# Altium PCB OZ440-SE130-CAR001.PcbDoc (part 1 of 2)
Units mm, origin at the board's own origin, x right, y up, seen from the top; angles counter-clockwise.
Board outline 154.93 x 68 mm, 4 copper layers (Top Layer, Mid-Layer 1, Mid-Layer 2, Bottom Layer), stack 1.448 mm thick; 100 components, 66 nets, 304 pads, 193 vias.
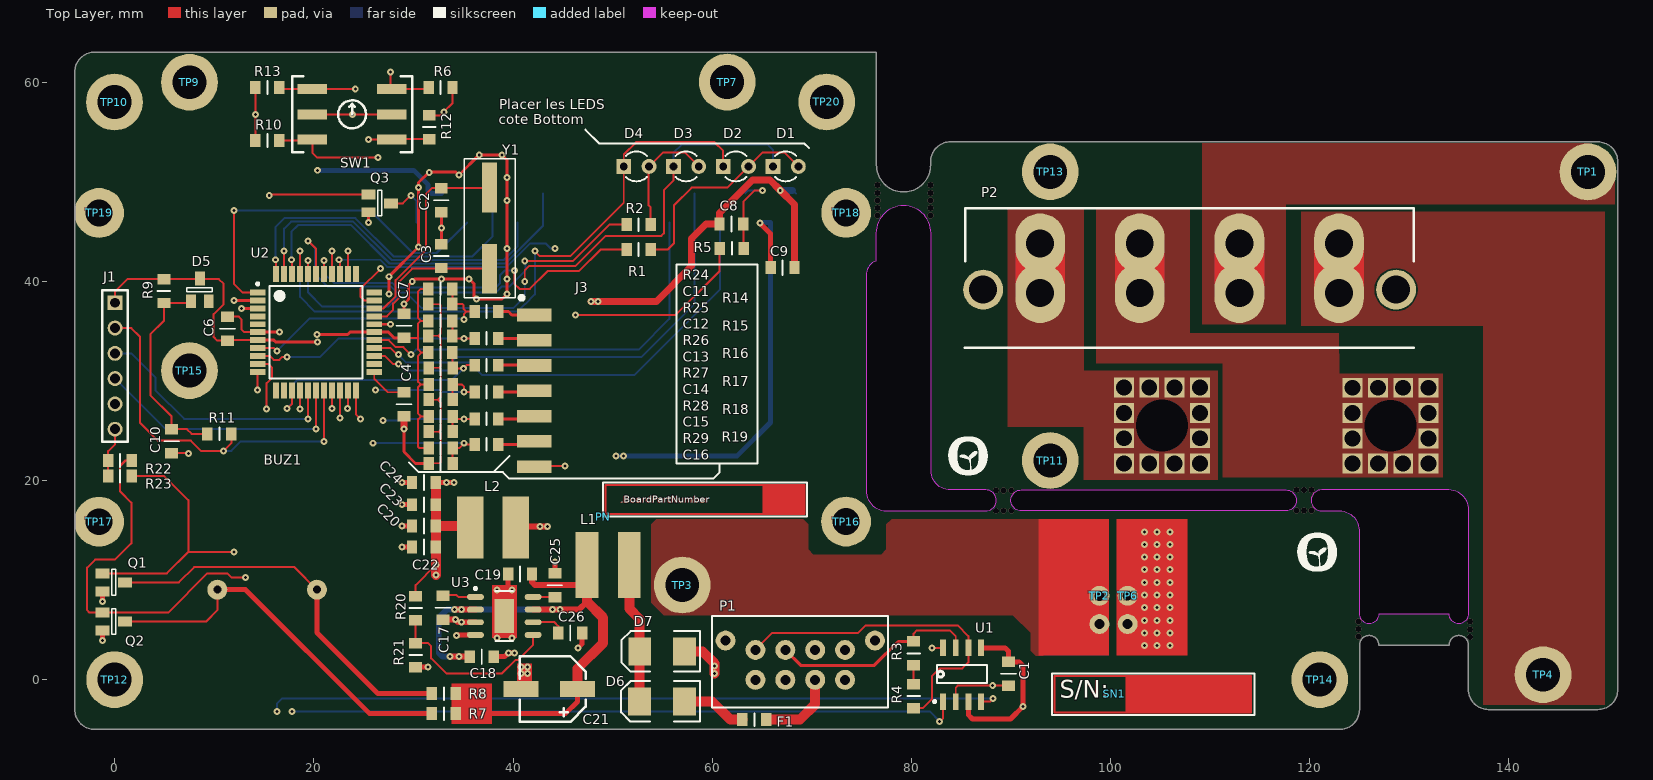
[diagram p0: Top Layer view]
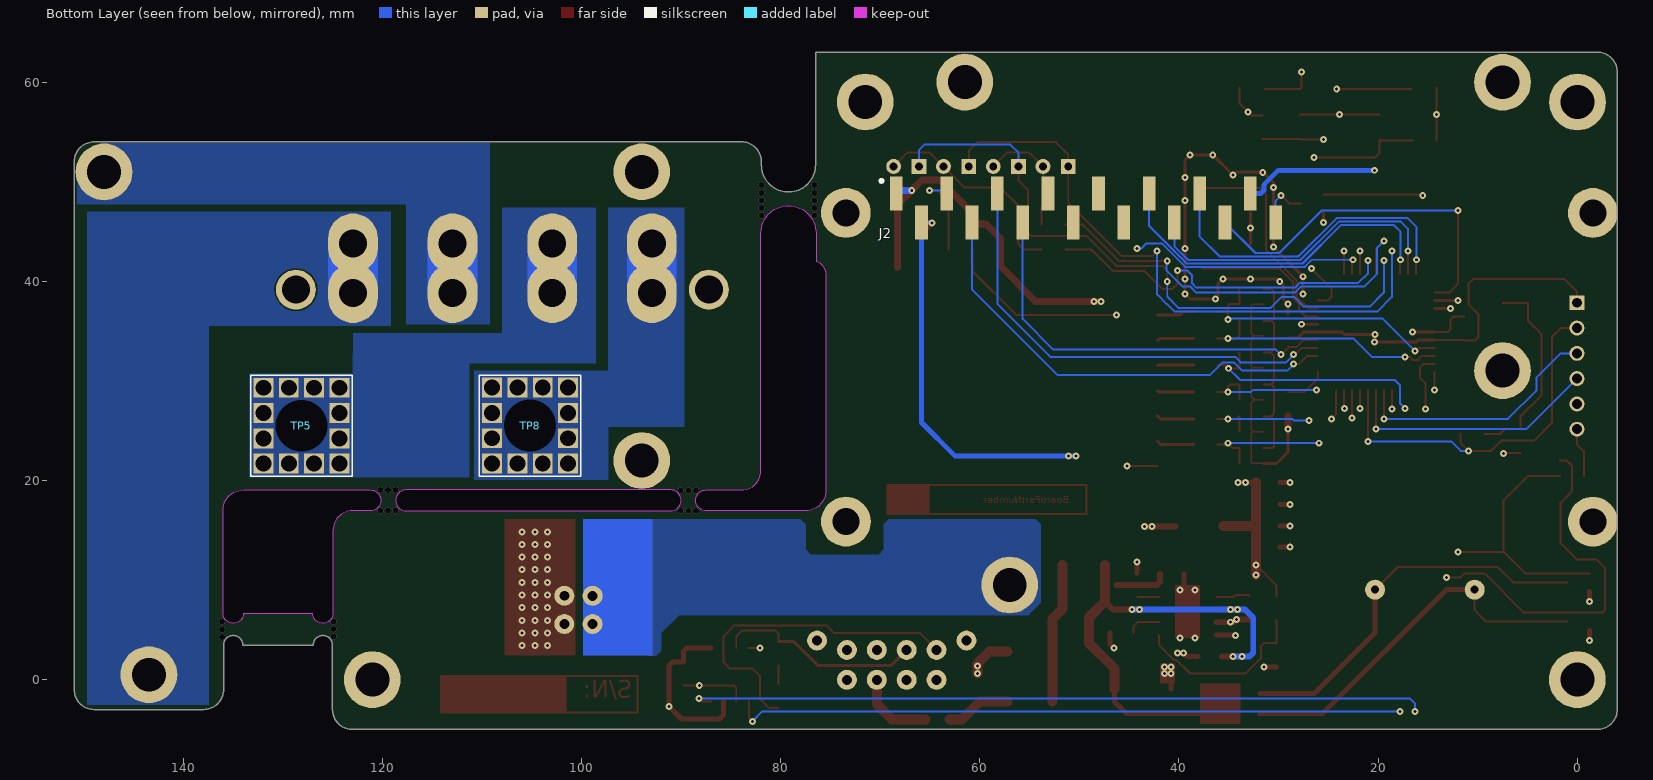
[diagram p1: Bottom Layer view, seen from below]
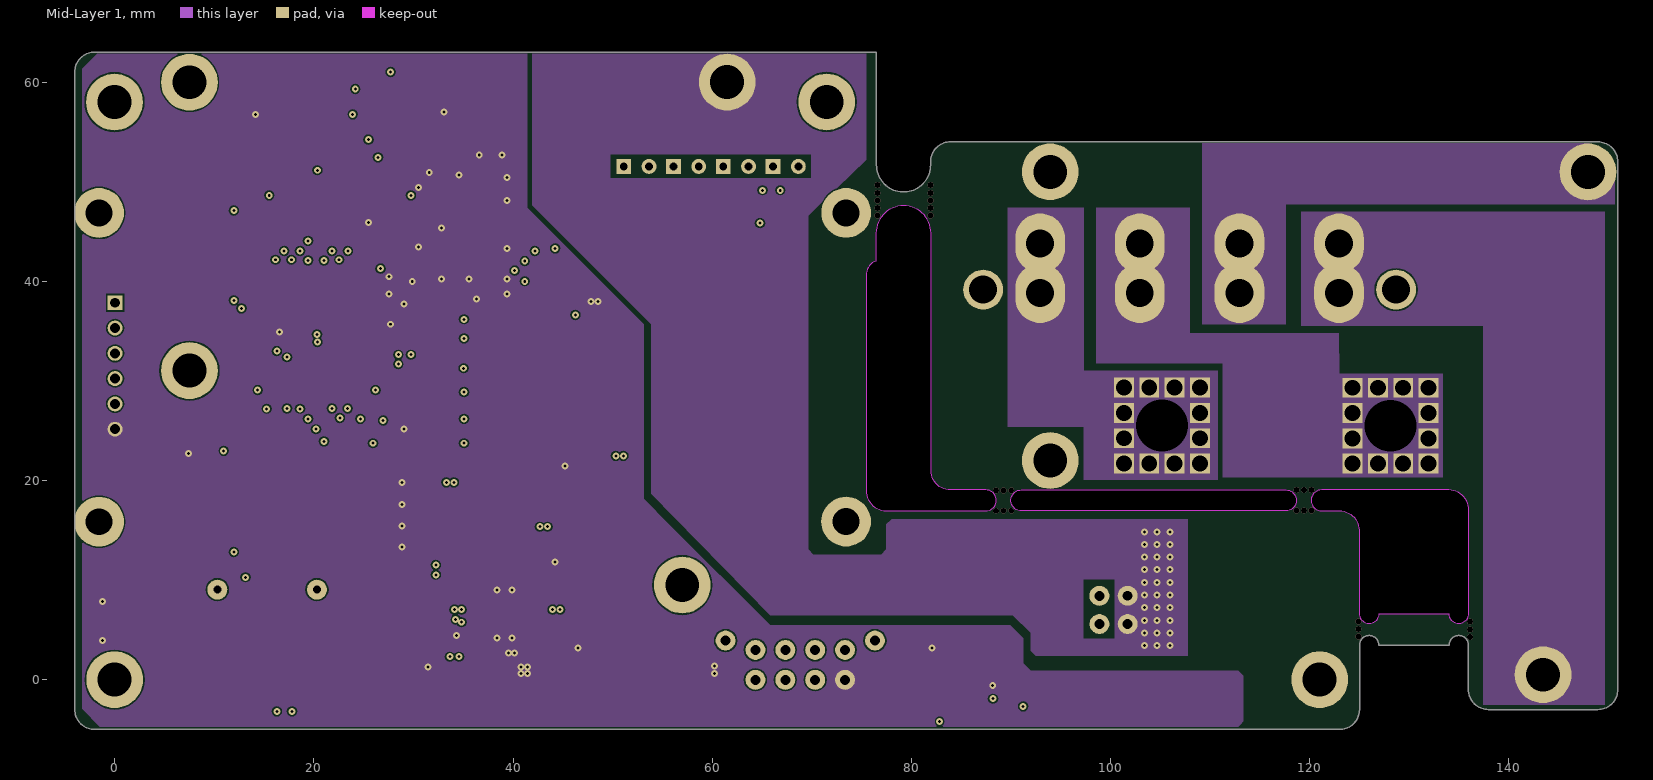
[diagram p2: Mid-Layer 1]
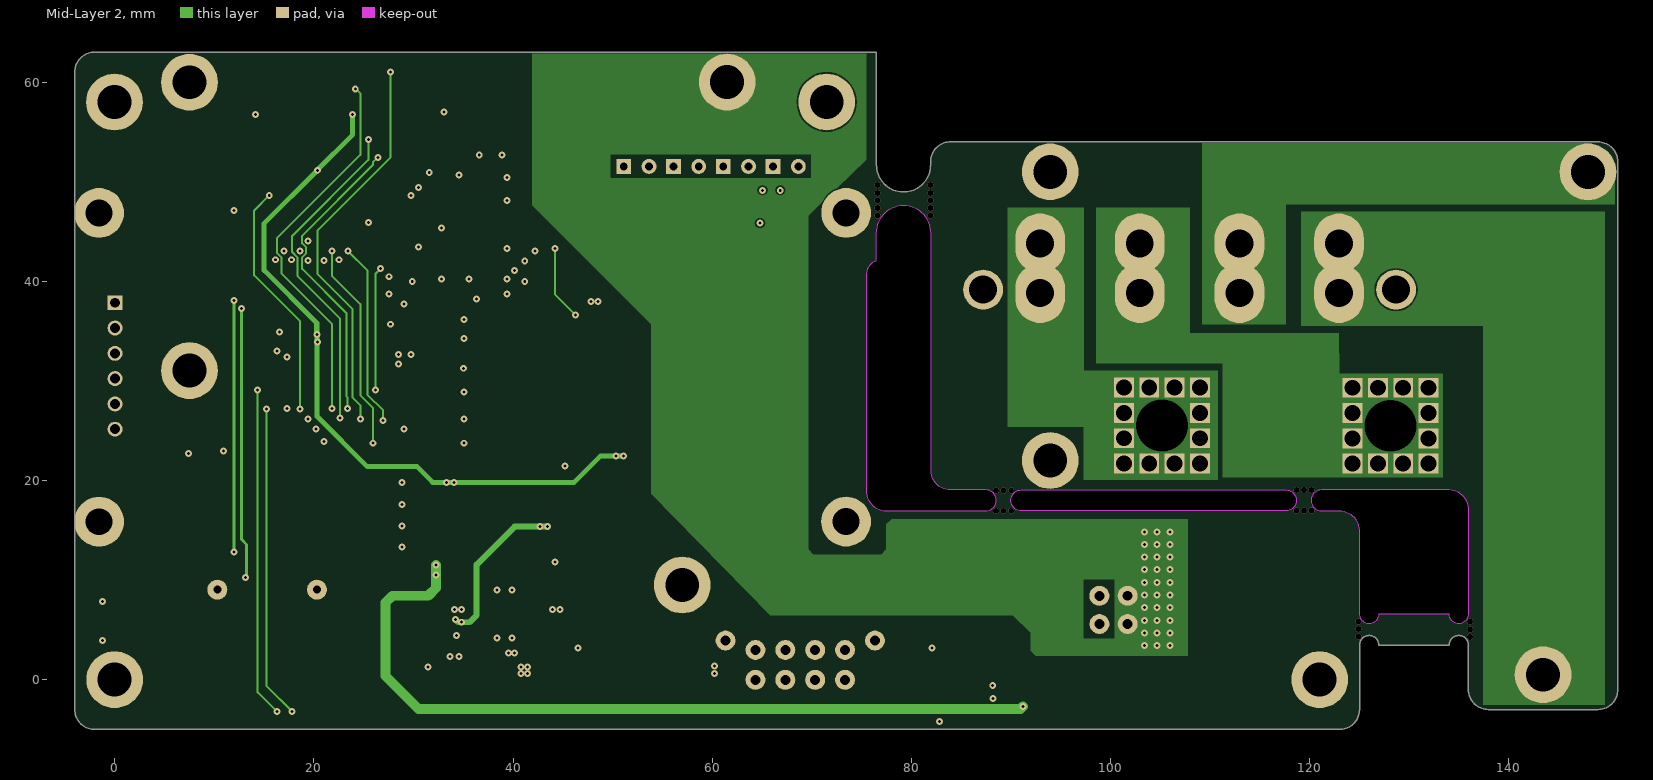
[diagram p3: Mid-Layer 2]
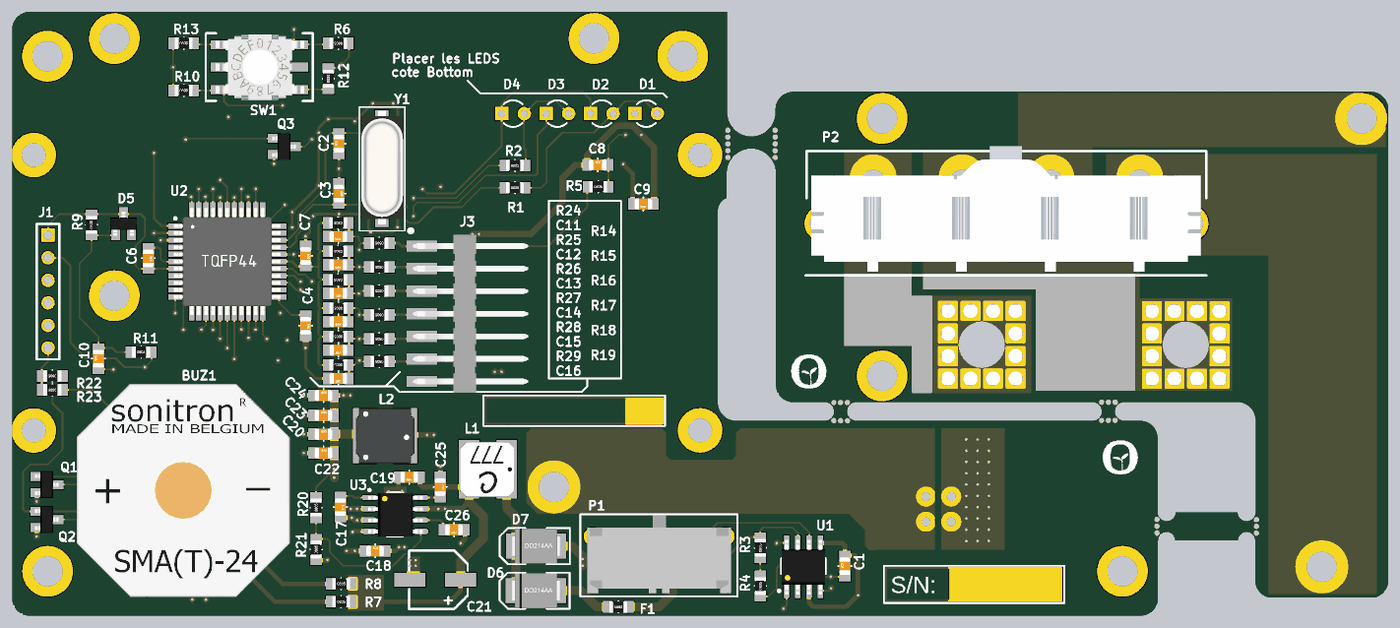
[diagram p5: 3D render of the assembled board from above, using the file's embedded part models]
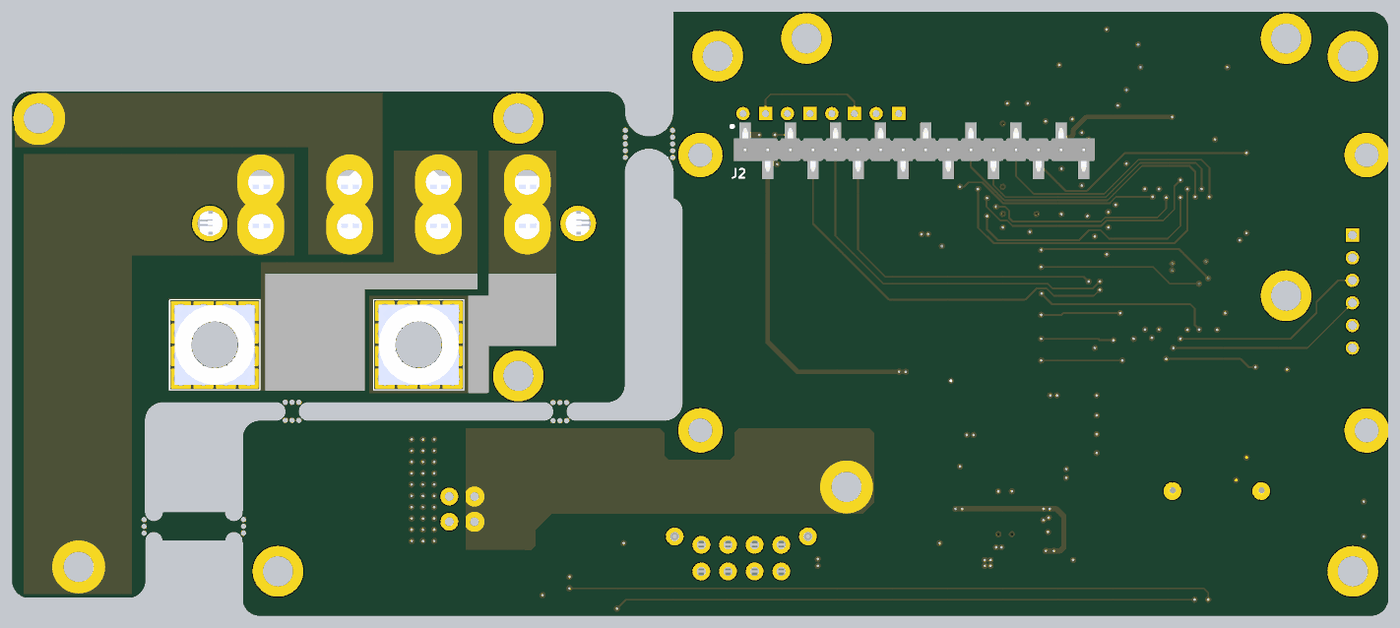
[diagram p6: 3D render of the assembled board from below, using the file's embedded part models]

## Layer stack, top to bottom
Top Layer: signal copper 0.0356
Dielectric: prepreg 0.288, FR-4, Dk 4.8
Mid-Layer 1: signal copper 0.0356
Dielectric: core 0.73, FR-4, Dk 4.8
Mid-Layer 2: signal copper 0.0356
Dielectric: prepreg 0.288, FR-4, Dk 4.8
Bottom Layer: signal copper 0.0356

## Board outline
-2.005,-4.997 cw(c-2.005,-2.997) -4.005,-2.997 -4.005,61.003 cw(c-2.005,61.003) -2.005,63.003 76.495,63.003 76.495,51.68 ccw(c79.211,51.68) 81.927,51.68 81.927,51.681 81.927,52 cw(c83.927,52) 83.927,54 148.927,54 cw(c148.927,52) 150.927,52 150.927,-1 cw(c148.927,-1) 148.927,-3 137.927,-3 cw(c137.927,-1) 135.927,-1 135.927,3.471 ccw(c134.962,3.471) 133.997,3.471 126.927,3.471 ccw(c125.962,3.471) 124.997,3.471 124.995,3.471 124.995,-2.997 cw(c122.995,-2.997) 122.995,-4.997
cut-out: 122.995,16.952 cw(c122.995,15.003) 124.945,15.003 ccw(c124.995,15.003) 124.946,14.989 124.946,6.671 ccw(c125.962,6.671) 126.976,6.621 133.948,6.621 ccw(c134.962,6.671) 135.977,6.671 135.977,17 ccw(c133.927,17) 133.941,19.051 ccw(c133.927,19.003) 133.927,19.053 121.187,19.053 ccw(c121.187,18.003) 121.187,16.952
cut-out: 75.445,19.003 ccw(c77.495,19.003) 77.485,16.952 ccw(c77.495,17.001) 77.495,16.951 87.468,16.951 ccw(c87.468,18.001) 88.518,18.001 ccw(c87.468,18.001) 87.468,19.052 ccw(c87.468,19.001) 87.458,19.051 83.927,19.051 cw(c83.927,21) 81.977,20.996 ccw(c81.927,21) 81.977,21 81.977,44.822 ccw(c79.211,44.822) 76.445,44.822 76.445,42.038 ccw(c76.995,40.588) 75.445,40.588
cut-out: 91.041,16.952 cw(c91.041,18.003) 91.041,19.053 117.613,19.053 cw(c117.613,19.003) 117.623,19.052 cw(c117.614,18.001) 118.664,18.001 cw(c117.614,18.001) 117.614,16.951 cw(c117.614,17.001) 117.604,16.952

## Design rules (kind name [scope] priority, off if disabled: settings)
AssemblyTestPointUsage [All] p1: valid=2
Clearance [All] p1: gap=0.15
FabricationTestPointUsage [All] p1: valid=2 allowmultiple=FALSE
HoleSize [All] p1: absolutevalues=TRUE maxlimit=6 minlimit=0.15 maxpercent=80.000 minpercent=20.000
HoleToHoleClearance [All] p1: gap=0.15 allowstackedmicrovias=TRUE
MinimumSolderMaskSliver [All] p1: minsoldermaskwidth=0.07
PolygonConnect [All] p1: connectstyle=Direct reliefconductorwidth=0.254 reliefentries=4 polygonreliefangle="90 Angle" airgapwidth=0.254
RoutingVias [All] p1: holewidth=0.3 width=0.7 viastyle="Through Hole" minholewidth=0.3 minwidth=0.6 maxholewidth=4 maxwidth=4
SilkToSilkClearance [All] p1: silktosilkclearance=0.1
SilkscreenOverComponentPads [All] p1: minsilkscreentomaskgap=0.125
SolderMaskExpansion [All] p1: expansion=0.125
Width [All] p1: maxlimit=5 minlimit=0.15 preferedwidth=0.2
21 further rules are at their usual default settings.

## Classes and differential pairs
net class DISP_DATA[4..7]: DISP_DATA4 DISP_DATA5 DISP_DATA6 DISP_DATA7
component class U_OZ440-SE130-CAR001-SCH3: C17 C18 C19 C20 C21 C22 C23 C24 C25 C26 D6 D7 F1 L1 L2 R20 R21 U3
component class OZ440-SE130-CAR001-SCH1: BUZ1 C1 C2 C3 C4 C6 C7 C8 C9 C10 C11 C12 C13 C14 C15 C16 D1 D2 D3 D4 D5 J1 J2 J3 P1 P2 PN Q1 Q2 Q3 R1 R2 R3 R4 R5 R6 R7 R8 R9 R10 R11 R12 R13 R14 R15 R16 R17 R18 R19 R22 R23 R24 R25 R26 R27 R28 R29 SN1 SW1 TP1 TP2 TP3 TP4 TP5 TP6 TP7 TP8 TP9 TP10 TP11 TP12 TP13 TP14 TP15 TP16 TP17 TP18 TP19 TP20 U1 U2 Y1

## Components (designator, comment, footprint, x,y, rotation, side; value= is the part's Value field where it differs from the comment)
BUZ1 "BUZ-STD" BUZ-SPE-SMAT24_P10 10.313,9.04 r0 top locked
C1 "CAP-SMD" C0805-STD 89.747,0.595 r90 top
C2 "CAP-SMD" C0805-STD 32.795,48.149 r90 top
C3 "CAP-SMD" C0805-STD 32.795,42.536 r270 top
C4 "CAP-SMD" C0805-STD 29.041,27.66 r270 top
C6 "CAP-SMD" C0805-STD 11.329,35.243 r270 top
C7 "CAP-SMD" C0805-STD 29.037,35.522 r270 top
C8 "CAP-SMD" C0805-STD 61.931,45.762 r0 top
C9 "CAP-SMD" C0805-STD 67.06,41.365 r180 top
C10 "CAP-SMD" C0805-STD 5.729,23.949 r90 top
C11 "CAP-SMD" C0805-STD 32.707,37.707 r180 top
C12 "CAP-SMD" C0805-STD 32.707,34.509 r180 top
C13 "CAP-SMD" C0805-STD 32.725,31.311 r180 top
C14 "CAP-SMD" C0805-STD 32.725,28.113 r180 top
C15 "CAP-SMD" C0805-STD 32.725,24.915 r180 top
C16 "CAP-SMD" C0805-STD 32.725,21.717 r180 top
C17 "CAP-SMD" C0805-STD 32.956,7.236 r270 top
C18 "CAP-SMD" C0805-STD 36.866,2.304 r0 top
C19 "CAP-SMD" C0805-STD 40.705,10.605 r180 top
C20 "CAP-SMD" C0805-STD 31.056,15.442 r0 top
C21 "CAP-POL-SMD" CAP-ELECTRO-SMD 46.485,-0.946 r270 top locked
C22 "CAP-SMD" C0805-STD 31.056,13.317 r0 top
C23 "CAP-SMD" C0805-STD 31.056,17.566 r0 top
C24 "CAP-SMD" C0805-STD 31.056,19.816 r0 top
C25 "CAP-SMD" C0805-STD 44.195,9.494 r270 top
C26 "CAP-SMD" C0805-STD 45.749,4.69 r180 top
D1 "LED_BIC" LED_3MM 66.107,51.536 r0 top locked
D2 "LED_BIC" LED_3MM 61.106,51.536 r0 top locked
D3 "LED_BIC" LED_3MM 56.106,51.535 r0 top locked
D4 "LED_BIC" LED_3MM 51.117,51.536 r0 top locked
D5 "BAS16-SOT23" SOT23-STD 8.547,40.272 r270 top
D6 "DIODE_SCHOTKY-DO214AA" DO214AA-STD 54.964,-2.18 r180 top
D7 "DIODE_SCHOTKY-DO214AA" DO214AA-STD 54.978,2.839 r180 top
F1 "RES-SMD" R0805-STD 64.237,-4.007 r180 top
J1 "CONN-STD-6P_1ROW" 6P_HEADER-STD_TH_1ROW 0.045,35.308 r90 top
J2 "CONN-STD-16P_1ROW" 16P_HEADER-SPE-TSM_116_01_L_SV 68.397,48.82 r180 bottom locked
J3 "CONN-STD-7P_1ROW" 7P_HEADER-SPE-TSM_107_01_L_SH 42.138,36.623 r270 top locked
L1 "IND-SMD" L-SPE-LPS6235 51.672,11.51 r180 top
L2 "IND-SMD" L-SPE-EPL6024 40.267,15.269 r180 top
P1 "CONN-SPE-8P_MOLEX_43045-0801" CONN-SPE_MOLEX_43045-0812 73.34,-0.013 r0 top
P2 "CONN-STD-4P_puissance" CONN-SPE-428194213_MOLEX 122.931,38.814 r0 top locked
PN "PART-NUMBER" PART_NUMBER_SMALL-STD 49.051,16.374 r0 top
Q1 "2N7002-SMD3P" SOT23-SPE-2N7002 1.045,9.77 r180 top
Q2 "2N7002-SMD3P" SOT23-SPE-2N7002 1.045,5.838 r180 top
Q3 "2N7002-SMD3P" SOT23-SPE-2N7002 27.756,47.831 r180 top
R1 "RES-SMD" R0805-STD 52.611,43.195 r0 top
R2 "RES-SMD" R0805-STD 52.611,45.69 r0 top
R3 "RES-SMD" R0805-STD 80.228,2.64 r90 top
R4 "RES-SMD" R0805-STD 80.228,-1.648 r90 top
R5 "RES-SMD" R0805-STD 61.976,43.302 r0 top
R6 "RES-SMD" R0805-STD 32.723,59.458 r180 top
R7 "RES-SMD" R0805-STD 33.049,-3.419 r0 top
R8 "RES-SMD" R0805-STD 33.049,-1.406 r0 top
R9 "RES-SMD" R0805-STD 4.937,39.022 r90 top
R10 "RES-SMD" R0805-STD 15.323,54.137 r0 top
R11 "RES-SMD" R0805-STD 10.513,24.683 r0 top
R12 "RES-SMD" R0805-STD 31.588,55.472 r270 top
R13 "RES-SMD" R0805-STD 15.323,59.458 r0 top
R14 "RES-SMD" R0805-STD 37.336,36.962 r180 top
R15 "RES-SMD" R0805-STD 37.336,34.267 r180 top
R16 "RES-SMD" R0805-STD 37.336,31.573 r180 top
R17 "RES-SMD" R0805-STD 37.336,28.878 r180 top
R18 "RES-SMD" R0805-STD 37.336,26.183 r180 top
R19 "RES-SMD" R0805-STD 37.336,23.633 r180 top
R20 "RES-SMD" R0805-STD 30.223,7.174 r90 top
R21 "RES-SMD" R0805-STD 30.224,2.461 r90 top
R22 "RES-SMD" R0805-STD 0.537,22.004 r180 top
R23 "RES-SMD" R0805-STD 0.537,20.438 r180 top
R24 "RES-SMD" R0805-STD 32.707,39.234 r180 top
R25 "RES-SMD" R0805-STD 32.707,36.036 r180 top
R26 "RES-SMD" R0805-STD 32.707,32.838 r180 top
R27 "RES-SMD" R0805-STD 32.725,29.64 r180 top
R28 "RES-SMD" R0805-STD 32.725,26.442 r180 top
R29 "RES-SMD" R0805-STD 32.725,23.244 r180 top
SN1 "SERIAL-NUMBER" SERIAL_NUMBER-STD 100.359,-1.406 r0 top
SW1 "Switch-STD-coding_wheel" SW-SPE-CTS_220-AMA16 19.843,54.228 r0 top
TP1 "FIX-STD-PCB_FIXATION" MEC-STD-FIX_M3#1 147.927,50.986 r0 top
TP2 "FIX-STD-PCB_FIXATION" MEC-STD-FIX_M3#2 98.874,8.42 r0 top
TP3 "FIX-STD-PCB_FIXATION" MEC-STD-FIX_M3#1 56.99,9.502 r0 top
TP4 "FIX-STD-PCB_FIXATION" MEC-STD-FIX_M3#1 143.43,0.501 r0 top
TP5 "TP-STD-TEST_POINT" MEC-SPE-WURTHZ_7460408 128.112,25.503 r180 bottom
TP6 "FIX-STD-PCB_FIXATION" MEC-STD-FIX_M3#2 101.712,8.426 r0 top
TP7 "FIX-STD-PCB_FIXATION" MEC-STD-FIX_M3#1 61.502,59.999 r0 top
TP8 "TP-STD-TEST_POINT" MEC-SPE-WURTHZ_7460408 105.154,25.512 r180 bottom
TP9 "FIX-STD-PCB_FIXATION" MEC-STD-FIX_M3#1 7.512,59.988 r0 top
TP10 "FIX-STD-PCB_FIXATION" MEC-STD-FIX_M3#1 -0.018,57.998 r0 top
TP11 "FIX-STD-PCB_FIXATION" MEC-STD-FIX_M3#1 93.937,22.004 r0 top
TP12 "FIX-STD-PCB_FIXATION" MEC-STD-FIX_M3#1 0,0 r0 top
TP13 "FIX-STD-PCB_FIXATION" MEC-STD-FIX_M3#1 93.937,50.993 r0 top
TP14 "FIX-STD-PCB_FIXATION" MEC-STD-FIX_M3#1 120.994,0.003 r0 top
TP15 "FIX-STD-PCB_FIXATION" MEC-STD-FIX_M3#1 7.506,31.031 r0 top
TP16 "FIX-STD-PCB_FIXATION" MEC-STD-FIX_M2_5 73.444,15.871 r0 top
TP17 "FIX-STD-PCB_FIXATION" MEC-STD-FIX_M2_5 -1.56,15.86 r0 top
TP18 "FIX-STD-PCB_FIXATION" MEC-STD-FIX_M2_5 73.449,46.877 r0 top
TP19 "FIX-STD-PCB_FIXATION" MEC-STD-FIX_M2_5 -1.561,46.869 r0 top
TP20 "FIX-STD-PCB_FIXATION" MEC-STD-FIX_M3#1 71.495,58.009 r0 top
U1 "MCP2562-SOIC08" SO8-SPE-MCP2561 83.183,-2.197 r90 top
U2 "P18F45K80-TQFP44" TQFP44-SPE-PIC18F45k80 20.215,34.887 r0 top
U3 "TPS54339-SO8" SO8_THERMAL-STD 36.219,8.307 r0 top
Y1 "XTAL-SMD" XTAL-SPE-HC49_SMD 37.621,41.266 r90 top

## Footprints (in the part's own frame and the unit in brackets; to place one, negate y for a bottom-side part, rotate by r counter-clockwise, add the part's x,y. Pads: shape width x height; smd on the part's side, far side on the other; paste and mask are expansions set on the pad)
6P_HEADER-STD_TH_1ROW [mm] "6P TH header, 2.54mm pitch"
  rect 1.5x1.5 hole 1: 1(2.54,0)
  round 1.5 hole 1: 2(0,0) 3(-2.54,0) 4(-5.08,0) 5(-7.62,0) 6(-10.16,0)
  silkscreen extent -11.43,-1.27 3.81,1.27
7P_HEADER-SPE-TSM_107_01_L_SH [mm] "16 pin, 2.54mm header"
  rect 1.27x3.43 smd mask+0.051: 1(0,0) 2(2.54,0) 3(5.08,0) 4(7.62,0) 5(10.16,0) 6(12.7,0) 7(15.24,0)
  silkscreen extent -1.92,-1.47 -1.52,-1.07, body extent -1.27,-1.02 16.51,11.94, height 3.02
16P_HEADER-SPE-TSM_116_01_L_SV [mm] "16 pin, 2.54mm header"
  rect 1.27x3.43 smd mask+0.051: 1(0,0) 2(2.54,-2.92) 3(5.08,0) 4(7.62,-2.92) 5(10.16,0) 6(12.7,-2.92) 7(15.24,0) 8(17.78,-2.92) 9(20.32,0) 10(22.86,-2.92) 11(25.4,0) 12(27.94,-2.92) 13(30.48,0) 14(33.02,-2.92) 15(35.56,0) 16(38.1,-2.92)
  silkscreen extent -1.62,1.12 -1.32,1.42, body extent -1.27,-3.81 39.37,1.09, height 9.61
BUZ-SPE-SMAT24_P10 [mm]
  round 2 hole 0.8: 1(0,0) 2(10,0)
  body extent -7.05,-11.92 16.95,12.08, height 15.01
C0805-STD [mm]
  rect 1.05x1.3 smd: 1(-1.2,0) 2(1.2,0)
  silkscreen extent 0,-0.76 0,0.76, body extent -1,-0.62 1,0.63, height 0.76
CAP-ELECTRO-SMD [mm]
  rect 1.6x3.5 smd: 1(0,0) 2(0,-5.7)
  silkscreen extent -3.3,-5.8 3.3,0.8
CONN-SPE-428194213_MOLEX [mm]
  oval 5x6 hole 2.8: 1(0,0) 1(0,5) 2(-10,5) 2(-10,0) 3(-20,5) 3(-20,0) 4(-30,0) 4(-30,5)
  round 4 hole 2.8: Fix1(5.73,0.35) Fix2(-35.73,0.35)
  Top Layer lines w5: -30,0 -30,5 ; -20,0 -20,5 ; -10,0 -10,5 ; 0,0 0,5
  Bottom Layer lines w5: -30,0 -30,5 ; -20,0 -20,5 ; -10,0 -10,5 ; 0,0 0,5
  silkscreen extent -37.6,-5.5 7.5,8.5, body extent -37,-5.05 6.88,9.05, height 20.6
CONN-SPE_MOLEX_43045-0812 [mm]
  round 2 hole 1: 1(0,0) 2(-3,0) 3(-6,0) 4(-9,0) 5(0,3) 6(-3,3) 7(-6,3) 8(-9,3) FIX1(-12,3.94) FIX2(3,3.94)
  silkscreen extent -13.39,-2.79 4.32,6.43, body extent -12.57,-2.45 3.58,6.32, height 9.95
DO214AA-STD [mm]
  rect 2.3x2.8 smd: A(-2.25,0) K(2.25,0)
  silkscreen extent -3.8,-2.03 4.1,2.03, body extent -2.79,-1.97 2.79,1.97, height 2.6
L-SPE-EPL6024 [mm]
  rect 2.65x6.2 smd: 1(0,0) 2(4.55,0)
  body extent -1.01,-3.1 5.59,3.1, height 2.3
L-SPE-LPS6235 [mm]
  rect 2.3x6.6 smd: 1(0,0) 2(4.25,0)
  body extent -0.92,-3.08 5.29,3.13, height 3.5
LED_3MM [mm]
  rect 1.5x1.5 hole 0.8: 1(0,0)
  round 1.5 hole 0.8: 2(2.54,0)
  silkscreen extent 0.21,-1.5 2.33,1.5
MEC-SPE-WURTHZ_7460408 [mm]
  rect 2x2 hole 1.6: 1(-3.81,-3.81) 1(-3.81,-1.27) 1(-3.81,1.27) 1(-3.81,3.81) 1(-1.27,-3.81) 1(-1.27,3.81) 1(1.27,-3.81) 1(1.27,3.81) 1(3.81,-3.81) 1(3.81,-1.27) 1(3.81,1.27) 1(3.81,3.81)
  round 4 hole 5.2: 1(0,0)
  silkscreen extent -5.08,-5.08 5.08,5.08, body extent -4.5,-4.52 4.5,4.5, height 6
MEC-STD-FIX_M2_5 [mm] "Fixation for M2.5 screw"
  round 5 hole 2.7: 1(0,0)
MEC-STD-FIX_M3#1 [mm] "Fixation for M3 screw"
  round 5.7 hole 3.4: 1(0,0)
MEC-STD-FIX_M3#2 [mm] "Fixation for M3 screw"
  round 2 hole 1: 1(0,0)
PART_NUMBER_SMALL-STD [mm]
  Top Layer region: 16.003,0.254 20.321,0.254 20.321,3.175 16.003,3.175
  Top Layer lines w0.2: 20.193,0.254 0.254,0.254 0.254,3.175 19.431,3.175 20.193,3.175
  silkscreen extent 0,0 20.45,3.43
R0805-STD [mm]
  rect 1.05x1.3 smd: 1(-1.2,0) 2(1.2,0)
  silkscreen extent 0,-0.64 0,0.64, body extent -1,-0.61 1,0.64, height 0.6
SERIAL_NUMBER-STD [mm]
  Top Layer region: 1.144,-1.905 13.844,-1.905 13.844,1.778 1.144,1.778
  Top Layer lines w0.2: 13.716,-1.905 -5.969,-1.905 -5.969,1.778 13.716,1.778
  silkscreen extent -6.22,-2.16 14.1,2.03
SO8-SPE-MCP2561 [mm]
  rect 1.65x0.6 smd: 1(0,0) 2(0,-1.27) 3(0,-2.54) 4(0,-3.81) 5(5.4,-3.81) 6(5.4,-2.54) 7(5.4,-1.27) 8(5.4,0)
  silkscreen extent -0.12,-4.41 3.68,0.97, body extent -0.4,-4.35 5.74,0.54, height 1.73
SO8_THERMAL-STD [mm]
  oval 1.7x0.6 smd: 1(0,0) 2(0,-1.27) 3(0,-2.54) 4(0,-3.81) 5(5.8,-3.81) 6(5.8,-2.54) 7(5.8,-1.27) 8(5.8,0)
  rect 2x3.4 smd: 9(2.9,-1.905)
  silkscreen extent -0.12,-4.41 3.8,0.97, body extent -0.15,-4.37 5.99,0.52, height 1.73
SOT23-SPE-2N7002 [mm]
  rect 1.4x1 smd: 1(2.275,-0.9) 2(2.275,0.9)
  rect 1.425x1 smd: 3(0,0)
  silkscreen extent 0.94,-1.3 1.35,1.27, body extent -0.18,-1.5 2.46,1.5, height 1.08
SOT23-STD [mm]
  rect 1.4x1 smd: 1(2.275,-0.9) 2(2.275,0.9)
  rect 1.425x1 smd: 3(0,0)
  silkscreen extent 0.94,-1.3 1.35,1.27, body extent -0.18,-1.5 2.46,1.5, height 1.08
SW-SPE-CTS_220-AMA16 [mm]
  rect 3x1 smd: 1(0,5.08) 2(7.985,0) 4(0,0) 8(7.985,5.08) C(0,2.54) C(7.985,2.54)
  silkscreen extent -2.03,-1.27 10.02,6.35, body extent -0.94,-1.16 9.06,6.24, height 4.25
TQFP44-SPE-PIC18F45k80 [mm]
  rect 1.6x0.6 smd: 1(-5.85,4) 2(-5.85,3.2) 3(-5.85,2.4) 4(-5.85,1.6) 5(-5.85,0.8) 6(-5.85,0) 7(-5.85,-0.8) 8(-5.85,-1.6) 9(-5.85,-2.4) 10(-5.85,-3.2) 11(-5.85,-4) 23(5.85,-4) 24(5.85,-3.2) 25(5.85,-2.4) 26(5.85,-1.6) 27(5.85,-0.8) 28(5.85,0) 29(5.85,0.8) 30(5.85,1.6) 31(5.85,2.4) 32(5.85,3.2) 33(5.85,4)
  rect 0.6x1.6 smd: 12(-4,-5.85) 13(-3.2,-5.85) 14(-2.4,-5.85) 15(-1.6,-5.85) 16(-0.8,-5.85) 17(0,-5.85) 18(0.8,-5.85) 19(1.6,-5.85) 20(2.4,-5.85) 21(3.2,-5.85) 22(4,-5.85) 34(4,5.85) 35(3.2,5.85) 36(2.4,5.85) 37(1.6,5.85) 38(0.8,5.85) 39(0,5.85) 40(-0.8,5.85) 41(-1.6,5.85) 42(-2.4,5.85) 43(-3.2,5.85) 44(-4,5.85)
  silkscreen extent -5.97,-4.65 4.65,4.97, body extent -6.01,-6.01 6.01,6.01, height 1.1
XTAL-SPE-HC49_SMD [mm]
  rect 5x1.5 smd: 1(0,0) 2(8.15,0)
  silkscreen extent -2.92,-2.59 11.02,2.54, body extent -2.21,-2.44 10.59,2.39, height 4.3

## Part data
BUZ1: library part SMAT24P10, "90db Piezzo transducer"
C1 C6 C7 C9 C10 C17: library part VJ0805Y104KXAxx, "0805 100nF / 50V  X7R ceramic capacitor"
C2 C3: library part C0805C150J5GACxx, "0805 15pF / 50V COG ceramic capacitor"
C4 C8: library part C0805C106K9PACxx, "0805 10uF / 6.3V X5R ceramic capacitor"
C11 C12 C13 C14 C15 C16 C18 C19 C26: library part C0805C105K4RACxx, "0805 1uF / 16V X7R ceramic capacitor"
C20 C22 C23 C24: library part C0805C226M9PACxx, "0805 22uF / 6.3V X5R ceramic capacitor"
C21: library part B41142A4107M, "100uF/16V Aluminium capacitor SMD"
C25: library part C0805C682J5GACxx, "0805 6.8nF / 50V COG ceramic capacitor"
D1 D2 D3 D4: library part MCL036PURGW, "3mm bicolor LED"
D5: library part BAS16, "100V / 120mA signal  diode"
D6: library part SS24-E3/xxx, "2A/40V schottky diode in SMB package"
D7: library part SMBJ13A, "13V TVS diode, 600W"
F1: library part F0805B2R00FWTR, "0805 2A 63V fuse"
J1: library part 68000-406HLF, "6P, 1 row, 2.54mm header"
J2: library part TSM-116-01-L-SV, "16 pin, 2.54mm pitch header, SM"
J3: library part TSM-107-01-L-SH, "7 pin horizontal Header SMD"
L1: library part LPS6235-223MR, "22uH SMD inductor"
L2: library part EPL6024-332MEB, "3.3uH 7A SMD inductor"
P1: library part 43045-0812, "8 pin Microfit connector"
P2: library part 42819-4213, "4 pin power connector"
PN: library part "Small part number", "small part number copper identification"
Q1 Q2 Q3: library part 2N7002, "N-Channel Enhancement Mode Field Effect Transistor"
R1 R2 R5: library part CRCW0805180RFKxx, "180 Ohm 0805 SMD resistor"
R3 R4: library part CRCW080559R0FKxx, "59 Ohm 0805 SMD resistor"
R6 R9 R10 R12 R13 R14 R15 R16 R17 R18 R19 R22 R23: library part CRCW080510K0FKxx, "10k Ohm 0805 SMD resistor"
R7 R8 R11: library part CRCW0805300RFKxx, "300 ohm 0805 SMD resistor"
R20: library part CRCW0805118KFKxx, "118k Ohm 0805 SMD resistor"
R21: library part CRCW080522K0FKxx, "22k Ohm 0805 SMD resistor"
R24 R25 R26 R27 R28 R29: library part CRCW0805100KFKxx, "100k Ohm 0805 SMD resistor"
SN1: library part "Serial Number", "serial number copper identification"
SW1: library part 220AMA16x, "16 positions rotary dip switch"
TP1 TP2 TP3 TP4 TP6 TP7 TP9 TP10 TP11 TP12 TP13 TP14 TP15 TP20: library part "M3 Fixation", "M3 Hole for Board fixation"
TP5 TP8: library part 7460408, "Bush with threaded hole M5"
TP16 TP17 TP18 TP19: library part "M2.5 Fixation", "M2.5 Hole for Board fixation"
U1: library part MCP2562-E/SN, "CAN transceiver with Vio pin"
U2: library part PIC18F45K80-I/PT, "Pic microcontroller with embeded CAN controller"
U3: library part TPS54339DDA, "4.5 V to 23 V Input, 3-A Step-Down DCDC"
Y1: library part MCRSD16000F183000RR, "16Mhz Crystal"

## Free pads (board coordinates)
  round 2 hole 1: 2(98.876,5.582) 2(101.713,5.585)

## Via types
v1: diameter 0.7, hole 0.3, Top Layer to Bottom Layer, tented both sides, 165 vias
v2: diameter 0.6, hole 0.6, Top Layer to Bottom Layer, tented both sides, 28 vias

## Nets (pads, with @x,y where several pads share a name; then routed paths per layer and width w, separated by ;. In a path a pad name is that pad's centre, name@x,y a point inside that pad or via, vN(x,y) a via of type N, cw(c..) or ccw(c..) an arc to the next point about the centre after c; other vN are vias at no path point)
5V: C1.2 C6.2 C7.2 C9.2 C20.2 C22.2 C23.2 C24.2 D5.3 J1.1 J2.2 J2.15 L2.2 R9.2 R20.2 R24.2 R25.2 R26.2 R27.2 R28.2 R29.2 SW1.C U1.3 U1.5 U2.7 U2.28 | length 315.6
  Top Layer w0.2: J1.1@0.045,37.848 0.045,38.996 1.27,40.222 R9.2@4.937,40.222 D5.3@8.496,40.222 ; D5.3@8.547,40.272 D5.3@8.496,40.222 ; U2.7@14.365,34.087 11.373,34.087 C6.2@11.329,34.043 10.3,34.043 9.935,34.408 9.935,36.694 10.951,37.71 10.951,39.742 10.472,40.222 D5.3@8.496,40.222 ; SW1.C@19.843,56.768 SW1.C@27.828,56.768 ; C7.2@29.037,34.322 29.069,34.29 30.48,34.29 ; R20.2@30.223,8.374 30.223,9.485 v1(32.256,11.517) ; R26.2@31.507,32.838 30.806,32.838 ; R25.2@31.507,36.036 30.734,36.036 ; R24.2@31.507,39.234 30.734,39.234 30.48,38.98 30.48,36.29 30.734,36.036 ; R29.2@31.525,23.244 30.604,23.244 30.48,23.368 30.48,26.162 30.76,26.442 ; R28.2@31.525,26.442 30.76,26.442 ; R27.2@31.525,29.64 30.734,29.64 ; 30.48,34.29 30.48,33.165 30.806,32.838 ; 30.48,34.29 30.48,35.782 30.734,36.036 ; 30.734,29.64 30.48,29.386 30.48,26.722 30.76,26.442 ; 30.734,29.64 30.48,29.894 30.48,32.512 30.806,32.838
  Top Layer w0.3: U2.7@14.365,34.087 15.987,34.087 16.174,33.9 v1(20.349,33.9) ; v1(20.313,34.662) 23.397,34.662 23.622,34.887 U2.28@26.065,34.887 27.49,34.887 28.055,34.322 C7.2@29.037,34.322
  Top Layer w0.5: C24.2@32.256,19.816 C24.2@32.256,19.816 v1(34.065,19.814) ; v1(64.799,45.838) 65.86,44.777 C9.2@65.86,41.365 ; U1.3@85.723,-2.197 85.723,-3.533 86.135,-3.946 89.945,-3.946 v1(91.215,-2.676) 91.215,1.388 90.809,1.795 C1.2@89.747,1.795 89.747,2.856 89.4,3.203 U1.5@86.993,3.203
  Top Layer w1: v1(32.256,10.532) v1(32.256,11.517) C22.2@32.256,13.317 C20.2@32.256,15.442 ; C24.2@32.256,19.816 C23.2@32.256,17.566 C20.2@32.256,15.442 ; L2.2@35.545,15.442 C20.2@32.256,15.442
  Mid-Layer 2 w0.5: v1(20.349,51.149) v1@20.265,51.066 ; v1(23.905,56.76) 23.905,54.728 20.265,51.089 v1@20.265,51.066 ; v1(33.303,19.816) 46.142,19.816 48.797,22.47 v1(50.321,22.47) v1(51.083,22.47) ; v1(34.065,19.814) 31.937,19.814 30.368,21.383 25.372,21.383 20.313,26.442 v1(20.313,34.662) ; 20.265,35.847 15.015,41.097 15.015,45.815 v1@20.265,51.066 ; 20.265,35.847 20.313,35.799 v1(20.313,34.662) ; 20.265,35.847 20.265,34.71 v1(20.313,34.662)
  Mid-Layer 2 w1: v1(32.256,11.517) v1(32.256,10.532) 32.256,9.197 31.485,8.426 27.894,8.426 27.207,7.738 27.207,0.372 30.509,-2.93 90.961,-2.93 v1(91.215,-2.676)
  Bottom Layer w0.5: v1(20.349,51.149) 30.024,51.149 31.485,49.688 31.485,49.14 31.806,48.82 J2.15@32.837,48.82 ; v1(50.321,22.47) v1(51.083,22.47) 62.513,22.47 65.857,25.814 J2.2@65.857,45.9 64.86,45.9 v1(64.799,45.838)
12V: F1.1 P1.2 | length 8
  Top Layer w1: F1.1@65.437,-4.007 68.801,-4.007 70.34,-2.468 P1.2@70.34,-0.013
12V_FILT: C18.1 C19.1 C21.1 L1.2 R7.2 R8.2 U3.2 U3.7 | length 63.5
  Top Layer w0.5: R8.2@34.364,-1.316 34.364,-3.419 45.26,-3.419 46.485,-2.193 C21.1@46.485,-0.946
  Top Layer w0.6: v1(33.657,2.304) v1(34.573,2.304) C18.1@35.666,2.304 ; v1(34.125,7.037) v1(34.827,7.037) U3.2@36.219,7.037 ; C19.1@41.905,10.605 41.905,9.805 42.193,9.516 46.257,9.516 ; U3.7@42.019,7.037 v1(43.971,7.037) v1(44.733,7.037) 46.616,7.037 47.422,7.843
  Top Layer w1: C21.1@46.485,-0.946 46.485,1.109 49.051,3.674 49.051,6.214 47.422,7.843 L1.2@47.422,11.51
  Bottom Layer w0.6: v1(34.573,2.304) v1(33.657,2.304) 32.937,2.304 32.541,2.7 32.541,6.214 33.363,7.037 v1(34.125,7.037) v1(34.827,7.037) v1(43.971,7.037) v1(44.733,7.037)
\R\E\S\E\T_PIC_1: J1.2 R11.2 U2.18 | length 38.7
  Top Layer w0.2: J1.2@0.045,35.308 1.67,35.308 2.569,34.408 2.569,25.772 4.347,23.994 7.649,23.994 8.665,22.978 v1(10.951,22.978) 11.713,23.741 R11.2@11.713,24.683 ; v1(21.015,23.923) U2.18@21.015,29.037
  Bottom Layer w0.2: v1(10.951,22.978) 11.713,22.978 12.658,23.923 v1(21.015,23.923)
ADDR_CAN0_1: R13.2 SW1.1 U2.19 | length 47.4
  Top Layer w0.2: R13.2@16.673,59.308 SW1.1@19.843,59.308 v1(24.159,59.308) ; v1(21.815,27.233) U2.19@21.815,29.037
  Mid-Layer 2 w0.2: v1(21.815,27.233) 21.815,35.736 16.746,40.805 16.746,42.413 16.285,42.874 16.285,44.318 24.667,52.7 24.667,58.867 v1@24.159,59.375
ADDR_CAN1_1: R12.2 SW1.2 U2.20 | length 41.9
  Top Layer w0.2: v1(22.615,26.28) U2.20@22.615,29.037 ; v1(25.481,54.22) 27.821,54.22 SW1.2@27.828,54.228 ; SW1.2@27.873,54.272 R12.2@31.588,54.272
  Mid-Layer 2 w0.2: v1(22.615,26.28) 22.615,36.277 18.346,40.546 18.346,42.413 17.809,42.95 17.809,44.514 25.481,52.187 v1(25.481,54.22)
ADDR_CAN2_1: R10.2 SW1.4 U2.21 | length 43.9
  Top Layer w0.2: R10.2@16.523,54.137 19.753,54.137 SW1.4@19.843,54.228 19.843,52.913 20.313,52.442 v1(26.445,52.442) ; v1(23.397,27.233) 23.415,27.252 U2.21@23.415,29.037
  Mid-Layer 2 w0.2: v1(23.397,27.233) 23.397,28.326 23.301,28.422 23.301,36.765 18.825,41.241 18.825,41.814 18.815,41.824 18.815,42.396 19.215,42.796 19.215,43.412 18.815,43.812 18.815,44.318 18.825,44.328 18.825,44.567 25.937,51.679 25.937,51.934 v1(26.445,52.442)
ADDR_CAN3_1: R6.2 SW1.8 U2.22 | length 48
  Top Layer w0.2: U2.22@24.215,29.037 24.215,26.635 v1(24.667,26.183) ; v1(27.715,61.018) 27.715,59.42 SW1.8@27.828,59.308 R6.2@31.373,59.308
  Mid-Layer 2 w0.2: v1(24.667,26.183) 24.667,27.55 23.905,28.312 23.905,37.206 20.349,40.762 20.349,45.076 27.715,52.442 v1(27.715,61.018)
BACKLIGHT_1: Q3.1 U2.15 | length 35.8
  Top Layer w0.2: v1(15.523,48.632) 15.622,48.731 Q3.1@25.481,48.731 ; v1(18.615,27.197) U2.15@18.615,29.037
  Mid-Layer 2 w0.2: v1(15.523,48.632) 13.999,47.108 13.999,40.589 18.615,35.973 v1(18.615,27.197)
BUZ_LS1_1: Q2.1 R22.1 U2.3 | length 66.1
  Top Layer w0.2: R22.1@1.737,22.004 1.087,22.004 0.537,21.454 0.537,18.911 1.67,17.779 1.67,13.697 0.029,12.056 -1.965,12.056 -2.765,11.256 -2.765,6.976 -2.526,6.738 Q2.1@-1.23,6.738 5.378,6.738 9.311,10.67 11.321,10.67 11.713,10.278 v1(13.141,10.278)
  Top Layer w0.3: v1(12.729,37.287) U2.3@14.365,37.287
  Mid-Layer 2 w0.3: v1(12.729,37.287) 12.729,14.088 13.237,13.58 13.237,10.375 v1(13.141,10.278)
BUZ_LS2_1: Q1.1 R23.1 U2.2 | length 53.6
  Top Layer w0.2: Q1.1@-1.23,10.67 5.247,10.67 7.395,12.818 ; R23.1@1.737,20.438 4.979,20.438 7.395,18.023 7.395,12.818 ; v1(11.967,12.818) 7.395,12.818
  Top Layer w0.3: v1(11.967,38.087) U2.2@14.365,38.087
  Mid-Layer 2 w0.3: v1(11.967,12.818) v1(11.967,38.087)
CANH_1: P1.7 R3.2 U1.7 | length 21.1
  Top Layer w0.2: R3.2@80.228,3.84 80.228,4.626 80.547,4.944 83.849,4.944 84.453,4.341 U1.7@84.453,3.203
  Top Layer w0.3: P1.7@67.34,2.987 68.887,1.44 76.281,1.44 78.681,3.84 R3.2@80.228,3.84
CANL_1: P1.8 R4.1 U1.6 | length 34.2
  Top Layer w0.2: P1.8@64.34,2.987 66.043,4.69 74.644,4.69 75.406,5.452 84.649,5.452 85.723,4.379 U1.6@85.723,3.203 85.723,1.738 85.119,1.134 82.833,1.134 82.071,0.372 82.071,-1.914 81.137,-2.848 R4.1@80.228,-2.848
CONTRAST_1: R5.1 U2.36 | length 50.6
  Top Layer w0.2: U2.36@22.615,40.737 v1@22.615,42.095 ; v1(46.257,36.623) 56.346,36.623 60.731,41.009 R5.1@60.731,43.195
  Top Layer w0.3: v1(22.546,42.164) v1@22.615,42.095
  Mid-Layer 2 w0.2: v1(44.225,43.302) 44.225,38.655 v1(46.257,36.623)
  Bottom Layer w0.2: v1(22.546,42.164) 26.65,42.164 27.299,41.515 27.299,41.499 27.359,41.439 39.378,41.439 41.745,43.806 43.258,43.806 43.762,43.302 v1(44.225,43.302)
DISP_DATA4: J2.11 U2.42 | length 36.2
  Top Layer w0.2: U2.42@17.815,40.737 v1@17.815,42.095
  Top Layer w0.3: v1(17.746,42.164) v1@17.815,42.095
  Bottom Layer w0.2: v1(17.746,42.164) 17.746,44.982 18.41,45.646 23.739,45.646 27.596,41.789 39.233,41.789 42.997,45.553 J2.11@42.997,48.82
DISP_DATA5: J2.12 U2.43 | length 32.8
  Top Layer w0.2: U2.43@17.015,40.737 v1(17.015,43.044)
  Bottom Layer w0.2: v1(17.015,43.044) 17.015,45.299 17.713,45.996 23.956,45.996 27.814,42.139 39.088,42.139 40.457,43.508 J2.12@40.457,45.9
DISP_DATA6: J2.13 U2.44 | length 33.6
  Top Layer w0.2: U2.44@16.215,40.737 v1@16.215,42.095
  Top Layer w0.3: v1(16.146,42.164) v1@16.215,42.095
  Bottom Layer w0.2: v1(16.146,42.164) 16.146,45.446 17.047,46.346 24.159,46.346 28.016,42.489 35.914,42.489 37.917,44.492 J2.13@37.917,48.82
DISP_DATA7: J2.14 U2.1 | length 36.6
  Top Layer w0.2: v1(11.967,47.108) 11.967,39.742 12.822,38.887 U2.1@14.365,38.887
  Bottom Layer w0.2: v1(11.967,47.108) 25.683,47.108 29.952,42.839 32.316,42.839 J2.14@35.377,45.9
E_DISPLAY_1: J2.6 U2.27 | length 41.4
  Top Layer w0.2: U2.27@26.065,34.087 27.528,34.087 28.223,33.392 28.985,33.392 v1(29.747,32.63)
  Bottom Layer w0.2: v1(29.747,32.63) 30.266,33.149 52.618,33.149 55.697,36.228 J2.6@55.697,45.9